# Altium PCB TIDA-01576_ADS8686S_AFE.PcbDoc (part 1 of 3) (continued)
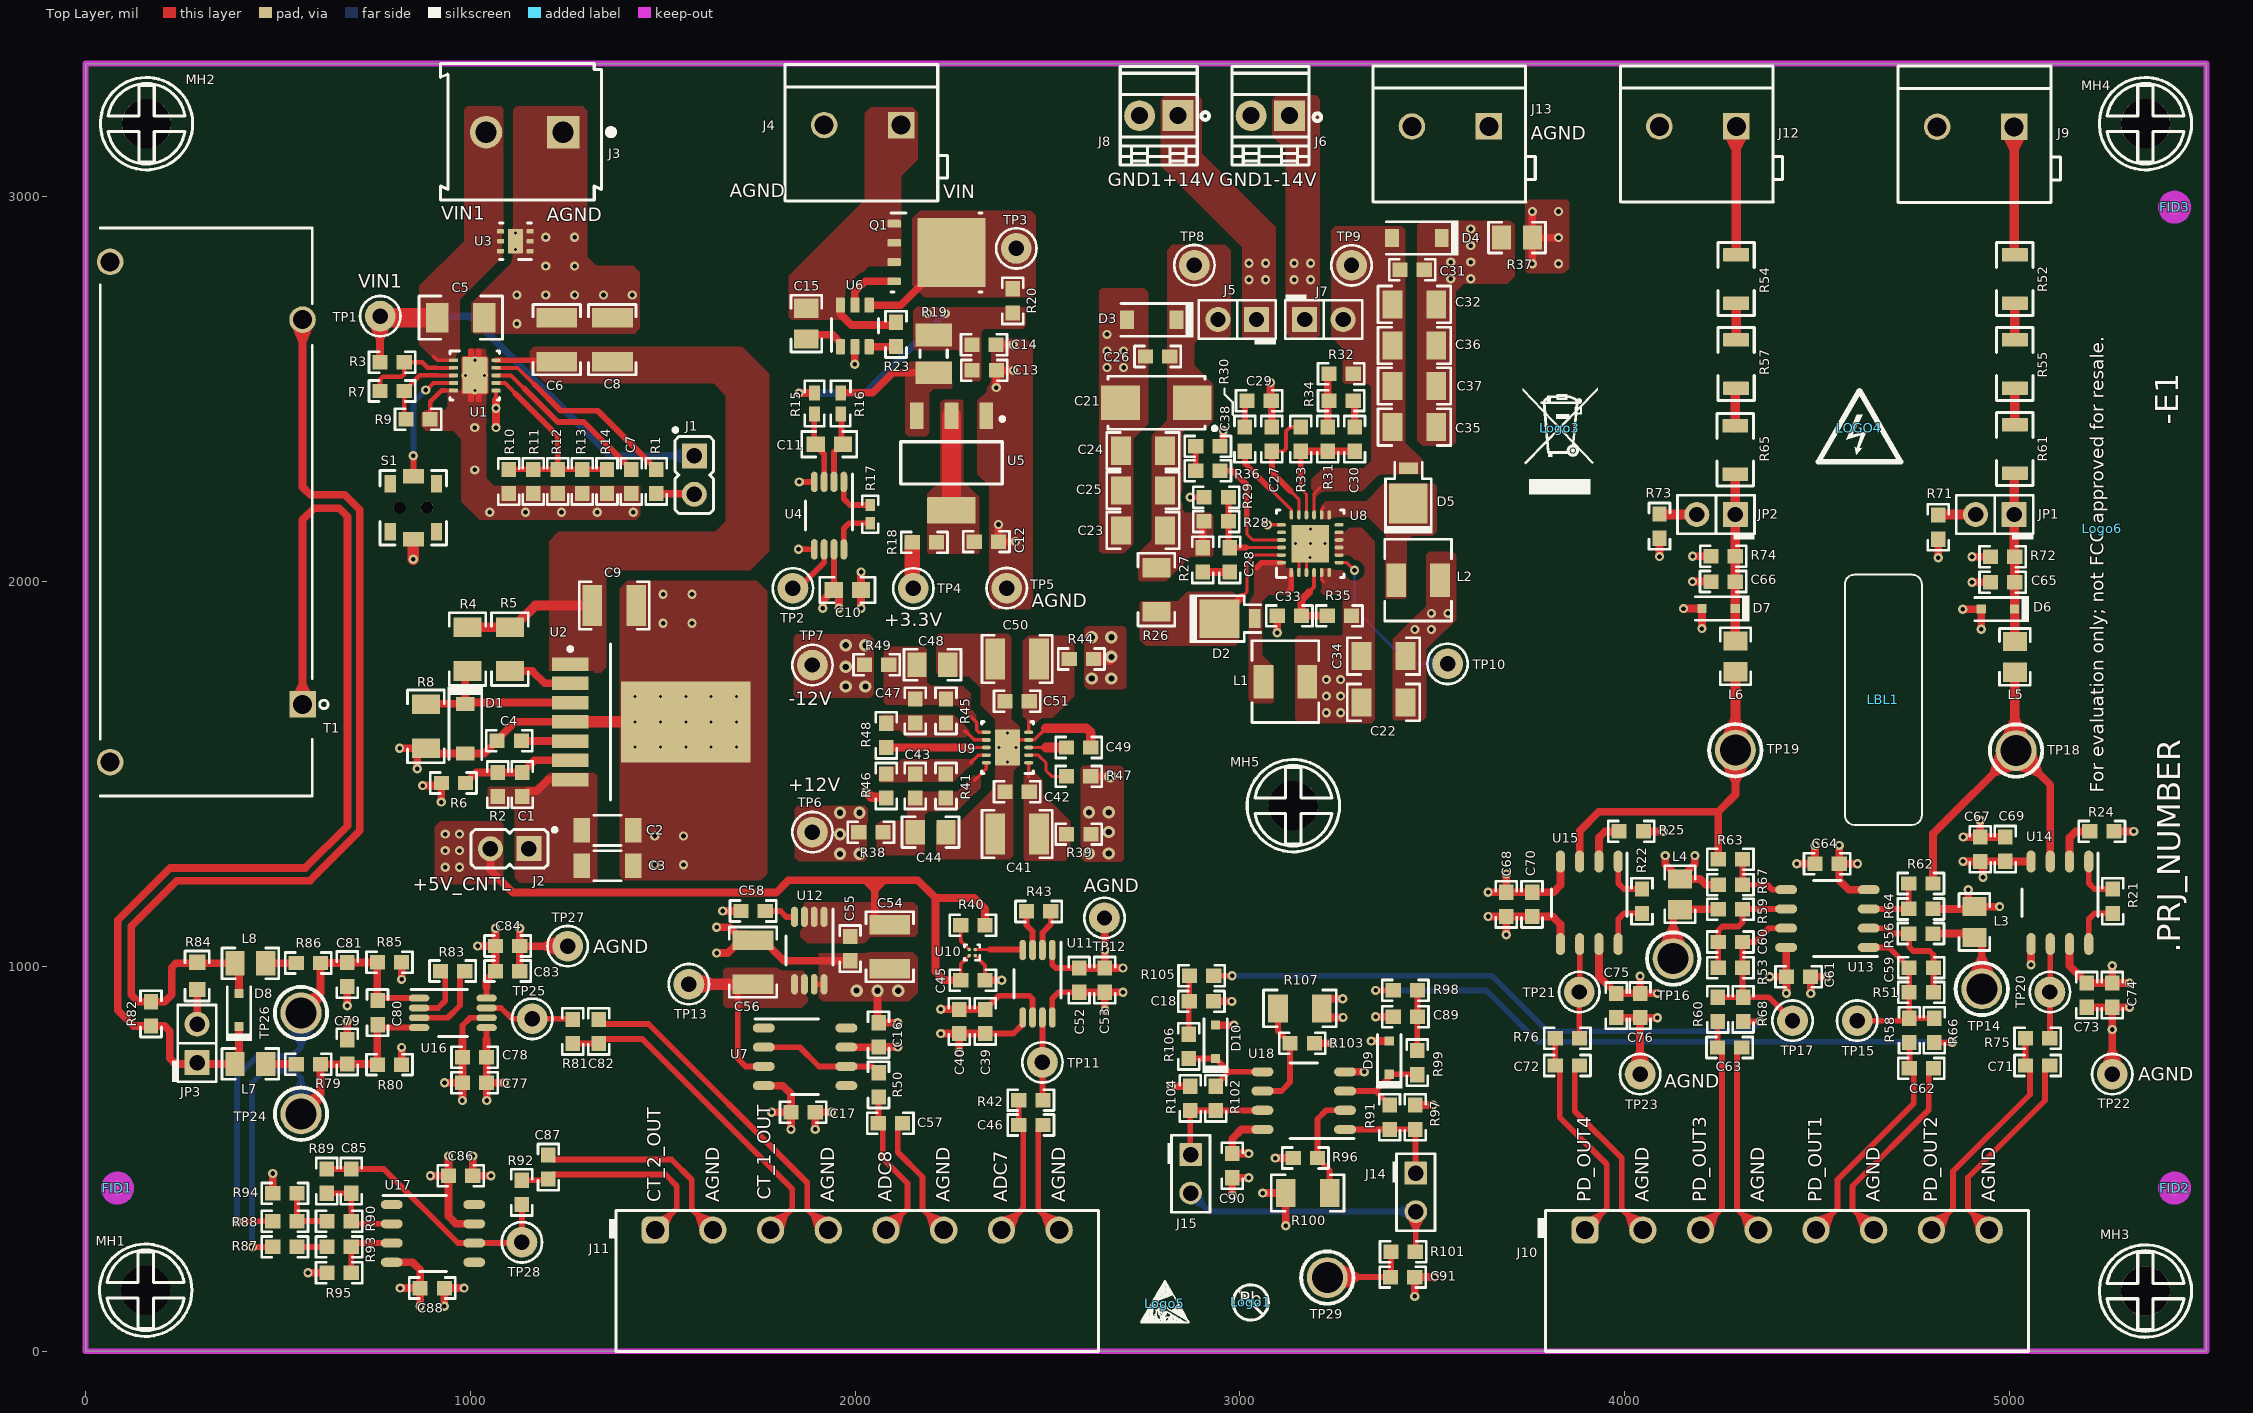
[diagram p0: Top Layer view]
## Footprints (in the part's own frame and the unit in brackets; to place one, negate y for a bottom-side part, rotate by r counter-clockwise, add the part's x,y. Pads: shape width x height; smd on the part's side, far side on the other; paste and mask are expansions set on the pad) (continued)
DCY0004A_N [mm] "SOT223/SC73, 4-Leads, Body 6.5x3.5mm, Pitch 2.3mm, Lead Span 7mm, IPC Medium Density"
  rrect11% 1.75x0.9 smd: 1(-3.125,2.3) 2(-3.125,0) 3(-3.125,-2.3)
  rrect6% 1.75x3.2 smd: 4(3.125,0)
  silkscreen extent -3.02,-3.35 1.4,3.48, body extent -3.48,-3.25 3.48,3.25, height 1.68
DGK0008A_N [mm] "TSOP, 8-Leads, Body 3x3mm, Pitch 0.65mm, IPC Medium Density"
  oval 1.35x0.45 smd: 1(-2.225,0.975) 2(-2.225,0.325) 3(-2.225,-0.325) 4(-2.225,-0.975) 5(2.225,-0.975) 6(2.225,-0.325) 7(2.225,0.325) 8(2.225,0.975)
  silkscreen extent -2.75,-1.55 0.95,1.55, body extent -2.45,-1.5 2.45,1.5, height 0.96
DQJ0008A [mm] "SMD, 8-Leads, Body 5.75x4.9mm"
  rrect39% 0.91x0.51 smd paste-0.05 mask-0.05: 1(-2.795,1.905) 2(-2.795,0.635) 3(-2.795,-0.635) 4(-2.795,-1.905) 5(2.795,-1.905) 6(2.795,-0.635) 7(2.795,0.635) 8(2.795,1.905)
  rrect8% 1.58x1.25 on Top Paste: 9(-0.38,-1.45) 9(-0.38,0) 9(-0.38,1.45) 9(1.4,-1.45) 9(1.4,0) 9(1.4,1.45)
  rrect3% 3.48x4.47 on Top Solder: 9(0.55,0)
  rrect2% 4.49x4.57 smd paste-2.5 mask-2.5: 9(1.005,0)
  silkscreen extent -3,-2.6 3,2.6, body extent -3.13,-2.45 3.13,2.45, height 1.15
DRC0010J [mm] "SON, 10-Leads, Body 3x3mm, Pitch 0.5mm, Thermal Pad 2.4x1.65mm, TI Recommended"
  rrect40% 0.6x0.25 smd: 1(-1.4,1) 2(-1.4,0.5) 3(-1.4,0) 4(-1.4,-0.5) 5(-1.4,-1) 6(1.4,-1) 7(1.4,-0.5) 8(1.4,0) 9(1.4,0.5) 10(1.4,1)
  rrect40% 0.25x0.34 on Top Paste: 11(-0.25,-1.53) 11(-0.25,1.53) 11(0.25,-1.53) 11(0.25,1.53)
  rrect9% 1.5x1.06 on Top Paste: 11(0,-0.63) 11(0,0.63)
  rrect12% 1.65x2.4 smd paste-1 mask-2: 11(0,0)
  Top Layer region: -0.775,-1.25 -0.425,-1.25 -0.425,-1.65 -0.417,-1.688 -0.396,-1.721 -0.363,-1.742 -0.325,-1.75 -0.325,-1.75 -0.325,-1.75 -0.175,-1.75 -0.175,-1.75 -0.137,-1.742 -0.104,-1.721 -0.083,-1.688 -0.075,-1.65 -0.075,-1.65 -0.075,-1.25 0.075,-1.25 0.075,-1.65 0.083,-1.688 0.104,-1.721 0.137,-1.742 0.175,-1.75 0.175,-1.75 0.175,-1.75 0.325,-1.75 0.325,-1.75 0.363,-1.742 0.396,-1.721 0.417,-1.688 0.425,-1.65 0.425,-1.65 0.425,-1.25 0.775,-1.25 0.813,-1.242 0.846,-1.221 0.867,-1.188 0.875,-1.15 0.875,-1.15 0.875,1.15 0.867,1.188 0.846,1.221 0.813,1.242 0.775,1.25 0.775,1.25 0.425,1.25 0.425,1.65 0.417,1.688 0.396,1.721 0.363,1.742 0.325,1.75 0.325,1.75 0.175,1.75 0.137,1.742 0.104,1.721 0.083,1.688 0.075,1.65 0.075,1.65 0.075,1.25 -0.075,1.25 -0.075,1.65 -0.083,1.688 -0.104,1.721 -0.137,1.742 -0.175,1.75 -0.175,1.75 -0.325,1.75 -0.363,1.742 -0.396,1.721 -0.417,1.688 -0.425,1.65 -0.425,1.65 -0.425,1.25 -0.775,1.25 -0.813,1.242 -0.846,1.221 -0.867,1.188 -0.875,1.15 -0.875,1.15 -0.875,-1.15 -0.867,-1.188 -0.846,-1.221 -0.813,-1.242 -0.775,-1.25
  silkscreen extent -1.63,-1.63 1.63,1.63, body extent -1.5,-1.5 1.5,1.5, height 0.77
DRV0006A [mm] "SON, 6-Leads, Body 2x2mm, Pitch 0.65mm, Thermal Pad 1.6x1mm, TI Recommended"
  rrect33% 0.45x0.3 smd: 1(-0.975,0.65) 2(-0.975,0) 3(-0.975,-0.65) 4(0.975,-0.65) 5(0.975,0) 6(0.975,0.65)
  rrect14% 1x0.7 on Top Paste: 7(0,0.45) 7(0,-0.45)
  rrect10% 1x1.6 smd paste-0.5: 7(0,0)
  silkscreen extent -1.05,-1.2 1.05,1.2, body extent -1.05,-1.05 1.05,1.05, height 0.81
DSC0010J [mm] "SON, 10-Leads, Body 3x3mm, Pitch 0.5mm, Thermal Pad 2.4x1.65mm, TI Recommended"
  rrect100% 0.6x0.24 smd: 1(-1.4,1) 2(-1.4,0.5) 3(-1.4,0) 4(-1.4,-0.5) 5(-1.4,-1) 6(1.4,-1) 7(1.4,-0.5) 8(1.4,0) 9(1.4,0.5) 10(1.4,1)
  rrect6% 1.65x2.4 smd paste-0.825: 11(0,0)
  silkscreen extent -1.7,-1.7 1.7,1.7, body extent -1.57,-1.57 1.57,1.57, height 0.81
ESD_Overlay_small [mil]
  silkscreen extent -62,-48 64,61
FCC_disclaimer [mil]
Fiducial10-20 [mm]
  round 1 smd mask+0.5: 1(0,0)
  Top Layer keep-out circle w1.178: c0,0 r0.5
IEC_HighVoltage_Small [mil]
  silkscreen extent -107,-88 107,97
IND_VLF504012 [mm] "TDK"
  rect 1.3x2.2 smd: 1(-1.45,0) 2(1.45,0)
  silkscreen extent -2.2,-2.7 2.2,2.7, body extent -2.15,-2.65 2.15,2.65, height 1.2
Keystone1573-2 [mm] "Double Turret"
  round 2.7 hole 2.05: 1(0,0)
  silkscreen extent -1.73,-1.73 1.73,1.73, body extent -1.18,-1.18 1.17,1.18, height 4.72
Keystone5000 [mil] "For Keystone 500x miniature loop terminals"
  round 80 hole 40: 1(0,0)
  silkscreen extent -52,-52 52,52, body extent -49,-49 49,49, height 182
Keystone5001 [mil] "For Keystone 500x miniature loop terminals"
  round 80 hole 40: 1(0,0)
  silkscreen extent -52,-52 52,52, body extent -49,-49 49,49, height 182
Keystone5002 [mil] "For Keystone 500x miniature loop terminals"
  round 80 hole 40: 1(0,0)
  silkscreen extent -52,-52 52,52, body extent -49,-49 49,49, height 182
Label_650x200 [mil] "Thermal Transfer Label"
  round 1 on Mech13: 0(0,0)
  silkscreen extent -325,-100 325,100, body extent -325,-100 325,100, height 1
MH3.2 [mil]
  round 128 / inner round 142 / far side round 128 hole 128 unplated mask+10: 1(0,0)
  silkscreen extent -120,-120 120,120
Pb-Free_Overlay_Small [mil]
  silkscreen extent -46,-46 46,46
Phoenix_1803332 [mm] "Header(shrouded), 3.81mm, 8x1, R/A, TH"
  rrect50% 1.8x1.8 hole 1.2: 1(-13.335,3.4)
  round 1.8 hole 1.2: 2(-9.525,3.4) 3(-5.715,3.4) 4(-1.905,3.4) 5(1.905,3.4) 6(5.715,3.4) 7(9.525,3.4) 8(13.335,3.4)
  silkscreen extent -16.46,-4.6 15.93,4.7, body extent -15.93,-4.6 15.94,4.7, height 7.25
POWERMITE [mil] "On Semi recommended land pattern, 457-04.pdf Rev 04E dated 2008-11-26"
  rect 105x100 smd: 1(-46,0)
  rect 30x50 smd: 2(46,0)
  silkscreen extent -124,-63 61,63, body extent -94,-40 59,40, height 45
RGE0024B [mm] "QFN, 24-Leads, Body 4x4mm, Pitch 0.5mm, Thermal Pad 2.45x2.45mm, TI Recommended"
  oval 0.6x0.24 smd: 1(-1.9,1.25) 2(-1.9,0.75) 3(-1.9,0.25) 4(-1.9,-0.25) 5(-1.9,-0.75) 6(-1.9,-1.25) 13(1.9,-1.25) 14(1.9,-0.75) 15(1.9,-0.25) 16(1.9,0.25) 17(1.9,0.75) 18(1.9,1.25)
  oval 0.24x0.6 smd: 7(-1.25,-1.9) 8(-0.75,-1.9) 9(-0.25,-1.9) 10(0.25,-1.9) 11(0.75,-1.9) 12(1.25,-1.9) 19(1.25,1.9) 20(0.75,1.9) 21(0.25,1.9) 22(-0.25,1.9) 23(-0.75,1.9) 24(-1.25,1.9)
  rect 2.45x2.45 smd paste-1.225: 25(0,0)
  silkscreen extent -2.22,-2.22 2.22,2.22, body extent -2.07,-2.07 2.07,2.07, height 1.01
RL1220 [mm] "Susumu"
  rect 1.5x2.4 smd: 1(-1.25,0) 2(1.25,0)
  silkscreen extent -0.25,-0.9 0.25,0.9, body extent -1.1,-0.72 1.1,0.72, height 0.7
SOD-123 [mm] "On Semi recommended land pattern"
  rect 0.915x1.22 smd: 1(-1.637,0) 2(1.637,0)
  silkscreen extent -2.74,-1.17 2.03,1.17, body extent -1.93,-0.9 1.93,0.9, height 1.35
SOD-323 [mm] "NXP recommended land pattern"
  rect 0.6x0.6 smd paste-0.05: 1(-1.1,0) 2(1.1,0)
  silkscreen extent -2.06,-0.86 1.53,0.86, body extent -1.3,-0.67 1.3,0.68, height 1.1
Sullins_PBC02SAAN [mm] "Sullins 100mil, 1x2, 230 mil above insulator"
  rect 1.65x1.65 hole 1.016: 1(0,1.27)
  round 1.65 hole 1.016: 2(0,-1.27)
  silkscreen extent -1.37,-2.54 1.27,3.1, body extent -1.27,-2.54 1.27,2.54, height 8.38
SW_PTS820 [mm] "SMT, 2-Leads, Body 3.9x2.9mm"
  rect 0.95x1.4 smd: 1(-2.075,0) 2(2.075,0)
  round 0.8 hole 0.8 unplated mask+0.203: MH1(0,0.9) MH2(0,-0.9)
  rect 1.15x0.75 smd: MP1(-1.575,1.525) MP2(1.575,1.525) MP3(1.575,-1.525) MP4(-1.575,-1.525)
  silkscreen extent -2.45,-2.2 2.45,2.2, body extent -2.25,-1.45 2.25,1.45, height 2
TEC_282841-2 [mm] "TE Connectivity"
  rect 2.15x2.15 hole 1.4: 1(-2.54,0)
  round 2.15 hole 1.4: 2(2.54,0)
  silkscreen extent -5.9,-4.52 5.55,4.47, body extent -5.08,-4.52 5.58,4.48, height 15.2
TNPV1206 [mm] "VISHAY"
  rrect11% 0.9x1.7 smd: 1(-1.6,0) 2(1.6,0)
  silkscreen extent -2.4,-1.2 2.4,1.2, body extent -1.67,-0.87 1.67,0.87, height 0.65
TSW-102-07-G-S [mm] "Samtec 100mil, 1x2, 230 mil above insulator"
  rrect6% 1.65x1.65 hole 1.016: 1(-1.27,0)
  round 1.65 hole 1.016: 2(1.27,0)
  silkscreen extent -2.54,-1.27 2.54,1.65, body extent -2.54,-1.27 2.54,1.27, height 8.38
TZA07A_V [mm] "D2-PAK, 8-Leads, Body 9.9x10.2mm, Pitch 1.27mm, Lead Span 13.8mm, NSC Recommended"
  rect 2.41x0.89 smd: 1(-5.35,3.81) 2(-5.35,2.54) 3(-5.35,1.27) 4(-5.35,0) 5(-5.35,-1.27) 6(-5.35,-2.54) 7(-5.35,-3.81)
  rect 8.54x5.35 smd: 8(2.28,0)
  silkscreen extent -5.47,-5.15 -2.7,5.15, body extent -2.55,-5.2 7.55,5.2, height 4.67
WEEE_Minimum [mil] "WEEElie bin"
  silkscreen extent -95,-172 99,104
XFMR_CR8350-2500-N [mil] "CURRENT TRANSFORMERS, VERTICAL, 4 PIN, THRU"
  rect 69.06x69.06 / inner round 69.06 / far side rect 69.06x69.06 hole 49.37: 1(-250,500)
  round 69.06 hole 49.37: 2(-250,-500) 3(250,650) 4(250,-650)
  silkscreen extent -317,-738 276,738, body extent -276,-738 276,738, height 1535
YFQ0004ACAC [mm] "WCSP, 4-Leads, Body 0.84x0.84mm, Pitch 0.4mm"
  round 0.23 smd paste-0.13 mask+0.038: A1(-0.2,0.2) A2(0.2,0.2) B1(-0.2,-0.2) B2(0.2,-0.2)
  silkscreen extent -0.51,-0.51 0.51,0.51, body extent -0.42,-0.42 0.42,0.42, height 0.58

## Part data
C1 C4: "CAP, CERM, 0.022 µF, 16 V,+/- 10%, X7R, 0603", Cap_Case=0603, Manufacturer=Kemet, Supplier Part Number 1=399-1093-1-ND, TempCo=X7R, Tolerance_%=10, Value1=Unknown, Value2=16V, ValueDisplayed=0.022µF, AEC Category=Q200, AEC Qualified=?, Cap_F=0.000000022, ComponentLink1Description="Datasheet link", ComponentLink1URL=http://www.kemet.com/kemet/web/homepage/kechome.nsf/vapubfiles/F3102_Y5V.pdf/$file/F3102_Y5V.pdf, CompType=Capacitor, Green_EU RoHS=Passed, Green_EU RoHS-2=Passed, Green_Lifecycle=Active, Green_REACh=Passed, LatestRevisionDate=2017-05-28, MountType=SMT, PackageReference=0603, PartNumber=C0603C223K4RACTU, Polarized=N, Published=2008-06-19, Publisher="Texas Instruments", RoHS=Y, SizeArea_mm2=1.28, SizeAreaWB_mm2=4.68, SizeX_mm=1.6, SizeY_mm=0.8, SizeZ_mm=1, Supplier 1=Digi-Key, Supplier 2=Mouser, Supplier 3=Farnell, Supplier Part Number 2=80-C0603C223K4R, Supplier Part Number 3=1204523, SymbolVersion=2008-07-09, TaMax_C=125, TaMin_C=-55, Technology=Ceramic, U/M=EA, VDC_V=16
C2 C3: "CAP, CERM, 22 µF, 16 V,+/- 20%, X7R, 1206", Cap_Case=1206, Manufacturer="Taiyo Yuden", Supplier Part Number 1=587-4319-1-ND, TempCo=X7R, Tolerance_%=20, Value1=Unknown, Value2=16V, ValueDisplayed=22µF, AEC Category=Q200, AEC Grade=N/A, AEC Qualified=N, Cap_F=0.000022, ComponentLink1Description="Datasheet link", ComponentLink1URL=http://www.yuden.co.jp/productdata/catalog/en/mlcc_all_e.pdf, CompType=Capacitor, LatestRevisionDate=2017-05-28, MountType=SMT, PackageReference=1206, PartNumber=EMK316BB7226ML-T, Polarized=N, Published=2008-06-19, Publisher="Texas Instruments", RoHS=Y, SizeArea_mm2=5.12, SizeAreaWB_mm2=10.92, SizeX_mm=3.2, SizeY_mm=1.6, SizeZ_mm=1.9, Supplier 1=Digi-Key, Supplier 2=Newark, Supplier 3=Mouser, Supplier Part Number 2=52Y4678, Supplier Part Number 3=963-EMK316BB7226ML-T, SymbolVersion=2008-07-09, TaMax_C=125, TaMin_C=-55, Technology=Ceramic, U/M=EA, VDC_V=16
C5: "CAP, CERM, 1 µF, 100 V, +/- 10%, X7R, 1206", Cap_Case=2220, Manufacturer=MuRata, Supplier Part Number 1=490-3909-1-ND, TempCo=X7R, Tolerance_%=10, Value1=Unknown, Value2=100V, ValueDisplayed=1µF, AEC Category=Q200, AEC Qualified=?, Cap_F=0.000001, ComponentLink1Description="Datasheet link", ComponentLink1URL=http://search.murata.co.jp/Ceramy/PnsearchViewAction.do?HnOFG=ON&HnNFG=ON&SEL_CNT=50&sLang=en&sKey=GRM31CR72A105KA01L&x=9&y=9&search=startwith, CompType=Capacitor, LatestRevisionDate=2016-06-23, MountType=SMT, PackageReference=1206, PartNumber=GRM31CR72A105KA01L, Polarized=N, Published=2008-06-19, Publisher="Texas Instruments", RoHS=Y, SizeArea_mm2=5.12, SizeAreaWB_mm2=10.92, SizeX_mm=3.2, SizeY_mm=1.6, SizeZ_mm=1.8, Supplier 1=Digi-Key, Supplier 2=Mouser, Supplier 3=Farnell, Supplier Part Number 2=81-GRM31CR72A105KA01, Supplier Part Number 3=1735543, SymbolVersion=2008-07-09, TaMax_C=125, TaMin_C=-55, Technology=Ceramic, U/M=EA, VDC_V=100
C6: "CAP, CERM, 2.2 µF, 100 V, +/- 10%, X7R, 1210", Cap_Case=1210, Manufacturer=MuRata, Supplier Part Number 1=490-3385-1-ND, TempCo=X7R, Tolerance_%=10, Value1="0.007 ohm", Value2=100V, ValueDisplayed=2.2µF, AEC Category=Q200, AEC Qualified=?, Cap_F=0.0000022, ComponentLink1Description="Datasheet link", ComponentLink1URL=http://search.murata.co.jp/Ceramy/PnsearchViewAction.do?HnOFG=ON&HnNFG=ON&SEL_CNT=50&sLang=en&sKey=GRM32ER72A225KA35L&x=9&y=9&search=startwith, CompType=Capacitor, ESR_ohm=0.007, IRMS_A=4.4, LatestRevisionDate=2017-01-30, MountType=SMT, PackageReference=1210, PartNumber=GRM32ER72A225KA35L, Polarized=N, Published=2008-06-19, Publisher="Texas Instruments", RoHS=Y, SizeArea_mm2=8, SizeAreaWB_mm2=14.7, SizeX_mm=3.2, SizeY_mm=2.5, SizeZ_mm=2.7, Supplier 1=Digi-Key, Supplier 2=Mouser, Supplier 3=Farnell, Supplier Part Number 2=81-GRM32ER72A225KA35, Supplier Part Number 3=1735547, SymbolVersion=2008-07-09, TaMax_C=125, TaMin_C=-55, Technology=Ceramic, U/M=EA, VDC_V=100
C7: "CAP, CERM, 0.022 µF, 16 V,+/- 10%, X7R, 0603", Cap_Case=0603, Manufacturer=MuRata, Supplier Part Number 1=490-1527-1-ND, TempCo=X7R, Tolerance_%=10, Value2=16V, ValueDisplayed=0.022µF, AEC Category=Q200, AEC Qualified=?, Cap_F=0.000000022, ComponentLink1Description="Datasheet link", ComponentLink1URL=http://search.murata.co.jp/Ceramy/PnsearchViewAction.do?HnOFG=ON&HnNFG=ON&SEL_CNT=50&sLang=en&sKey=GRM188R71C223KA01D&x=9&y=9&search=startwith, CompType=Capacitor, Green_EU RoHS=Passed, Green_EU RoHS-2=Incomplete, Green_Lifecycle=Active, Green_REACh=Passed, LatestRevisionDate=2017-06-22, MountType=SMT, PackageReference=0603, PartNumber=GRM188R71C223KA01D, Polarized=N, Published=2008-06-19, Publisher="Texas Instruments", RoHS=Y, SizeArea_mm2=1.28, SizeAreaWB_mm2=4.68, SizeX_mm=1.6, SizeY_mm=0.8, SizeZ_mm=1, Supplier 1=Digi-Key, Supplier 2=Mouser, Supplier Part Number 2=81-GRM39X223K16D, SymbolVersion=2008-07-09, TaMax_C=125, TaMin_C=-55, Technology=Ceramic, U/M=EA, VDC_V=16
C8 C9: "CAP, CERM, 10 µF, 63 V, +/- 10%, X7R, 1210", Cap_Case=1210, Manufacturer=MuRata, Supplier Part Number 1=490-9970-1-ND, TempCo=X7R, Tolerance_%=10, Value1=Unknown, Value2=63V, ValueDisplayed=10µF, AEC Category=Q200, AEC Grade=N/A, AEC Qualified=N, Cap_F=0.00001, ComponentLink1Description="Datasheet link", ComponentLink1URL=http://psearch.en.murata.com/capacitor/product/GRM32ER71J106KA12%23.pdf, CompType=Capacitor, LatestRevisionDate=2016-12-20, MountType=SMT, PackageReference=1210, PartNumber=GRM32ER71J106KA12L, Polarized=N, Published=2008-06-19, Publisher="Texas Instruments", RoHS=Y, SizeArea_mm2=8, SizeAreaWB_mm2=14.7, SizeX_mm=3.2, SizeY_mm=2.5, SizeZ_mm=2.7, Supplier 1=Digi-Key, Supplier 2=Mouser, Supplier Part Number 2=81-GRM32ER71J106KA2L, SymbolVersion=2008-07-09, TaMax_C=125, TaMin_C=-55, Technology=Ceramic, U/M=EA, VDC_V=63
C10 C16 C17 C61 C64 C86 C88 C90: "CAP, CERM, 0.1uF, 25V, +/-5%, X7R, 0603", Cap_Case=0603, Manufacturer=AVX, Supplier Part Number 1=478-3713-1-ND, TempCo=X7R, Tolerance_%=5, Value1="0.05 ohm", Value2=25V, ValueDisplayed=0.1µF, Cap_F=0.0000001, ComponentLink1Description="Datasheet link", ComponentLink1URL=http://www.avx.com/docs/masterpubs/smccp.pdf, CompType=Capacitor, ESR_ohm=0.05, MountType=SMT, PackageReference=0603, PartNumber=06033C104JAT2A, Polarized=N, Published=2008-06-19, Publisher="Texas Instruments", RoHS=Y, Supplier 1=Digi-Key, Supplier 2=Mouser, Supplier 3=Farnell, Supplier Part Number 2=581-06033C104JAT2A, Supplier Part Number 3=1740614, SymbolVersion=2008-07-09, TaMax_C=125, TaMin_C=-55, Technology=Ceramic, U/M=EA, VDC_V=25
  C10: LatestRevisionDate=2013-06-11
  C16 C17 C61 C64 C86 C88 C90: LatestRevisionDate=2013-12-06
C11: "CAP, CERM, 0.022uF, 25V, +/-10%, X7R, 0603", Cap_Case=0603, Manufacturer=Kemet, Supplier Part Number 1=399-1094-1-ND, TempCo=X7R, Tolerance_%=10, Value1=Unknown, Value2=25V, ValueDisplayed=0.022µF, Cap_F=0.000000022, ComponentLink1Description="Datasheet link", ComponentLink1URL=http://www.kemet.com/kemet/web/homepage/kechome.nsf/vapubfiles/F3102_Y5V.pdf/$file/F3102_Y5V.pdf, CompType=Capacitor, LatestRevisionDate=2014-01-01, MountType=SMT, PackageReference=0603, PartNumber=C0603C223K3RACTU, Polarized=N, Published=2008-06-19, Publisher="Texas Instruments", RoHS=Y, Supplier 1=Digi-Key, Supplier 2=Mouser, Supplier 3=Farnell, Supplier Part Number 2=80-C0603C223K3R, Supplier Part Number 3=1204523, SymbolVersion=2008-07-09, TaMax_C=125, TaMin_C=-55, Technology=Ceramic, U/M=EA, VDC_V=25
C12 C14: "CAP, CERM, 10 µF, 6.3 V, +/- 20%, X5R, 0603", Cap_Case=0603, Manufacturer=Kemet, Supplier Part Number 1=399-5504-1-ND, TempCo=X5R, Tolerance_%=20, Value1="0.004 ohm", Value2=6.3V, ValueDisplayed=10µF, Cap_F=0.00001, ComponentLink1Description="Datasheet link", ComponentLink1URL=http://www.kemet.com/kemet/web/homepage/kechome.nsf/vapubfiles/F3102_Y5V.pdf/$file/F3102_Y5V.pdf, CompType=Capacitor, ESR_ohm=0.004, IRMS_A=8.9, LatestRevisionDate=2015-03-22, MountType=SMT, PackageReference=0603, PartNumber=C0603C106M9PACTU, Polarized=N, Published=2008-06-19, Publisher="Texas Instruments", RoHS=Y, Supplier 1=Digi-Key, Supplier 2=Mouser, Supplier 3=Farnell, Supplier Part Number 2=80-C0603C106M9P, Supplier Part Number 3=1288201, SymbolVersion=2008-07-09, TaMax_C=85, TaMin_C=-55, Technology=Ceramic, U/M=EA, VDC_V=6.3
C13: "CAP, CERM, 0.1uF, 50V, +/-10%, X7R, 0603", Cap_Case=0603, Manufacturer=Kemet, Supplier Part Number 1=399-5089-1-ND, TempCo=X7R, Tolerance_%=10, Value1=Unknown, Value2=50V, ValueDisplayed=0.1µF, Cap_F=0.0000001, ComponentLink1Description="Datasheet link", ComponentLink1URL=http://www.kemet.com/kemet/web/homepage/kechome.nsf/vapubfiles/F3102_Y5V.pdf/$file/F3102_Y5V.pdf, CompType=Capacitor, LatestRevisionDate=2013-11-21, MountType=SMT, PackageReference=0603, PartNumber=C0603C104K5RACTU, Polarized=N, Published=2008-06-19, Publisher="Texas Instruments", RoHS=Y, Supplier 1=Digi-Key, Supplier 2=Mouser, Supplier 3=Farnell, Supplier Part Number 2=80-C0603C104K5R, Supplier Part Number 3=1288255, SymbolVersion=2008-07-09, TaMax_C=125, TaMin_C=-55, Technology=Ceramic, U/M=EA, VDC_V=50
C15 C44 C48: "CAP, CERM, 2.2uF, 10V, +/-10%, X7R, 0805", Cap_Case=0805, Manufacturer=Kemet, Supplier Part Number 1=399-3522-1-ND, TempCo=X7R, Tolerance_%=10, Value1="0.008 ohm", Value2=10V, ValueDisplayed=2.2µF, Cap_F=0.0000022, ComponentLink1Description="Datasheet link", ComponentLink1URL=http://www.kemet.com/kemet/web/homepage/kechome.nsf/file/Partial%20Copy%20-%20Ceramic%20Surface%20Mount%20Capacitors/$file/F3102_CE.pdf, CompType=Capacitor, ESR_ohm=0.008, IRMS_A=15.55, LatestRevisionDate=2014-05-28, MountType=SMT, PackageReference=0805, PartNumber=C0805C225K8RACTU, Polarized=N, Published=2008-06-19, Publisher="Texas Instruments", RoHS=Y, Supplier 1=Digi-Key, Supplier 2=Mouser, Supplier Part Number 2=80-C0805C225K8R, SymbolVersion=2008-07-09, TaMax_C=125, TaMin_C=-55, Technology=Ceramic, U/M=EA, VDC_V=10
C18 C89 C91: library part C1608C0G1E103J, "CAP, CERM, 0.01uF, 25V, +/-5%, C0G/NP0, 0603", Cap_Case=0603, Manufacturer=TDK, Supplier Part Number 1=445-2664-1-ND, TempCo=C0G/NP0, Tolerance_%=5, Value1=Unknown, Value2=25V, ValueDisplayed=0.01µF, Cap_F=0.00000001, ComponentLink1Description="Datasheet link", ComponentLink1URL=http://www.tdk.co.jp/tefe02/e412_c.pdf, CompType=Capacitor, LatestRevisionDate=2013-12-06, MountType=SMT, PackageReference=0603, PartNumber=C1608C0G1E103J080AA, Polarized=N, Published=2008-06-19, Publisher="Texas Instruments", RoHS=Y, Supplier 1=Digi-Key, Supplier 2=Farnell, Supplier Part Number 2=1844146, SymbolVersion=2008-07-09, TaMax_C=125, TaMin_C=-55, Technology=Ceramic, U/M=EA, VDC_V=25
C21: "CAP, TA, 4.7 µF, 25 V, +/- 10%, 2 ohm, SMD", Cap_Case=C, Manufacturer=Vishay-Sprague, Supplier Part Number 1=718-1082-1-ND, Tolerance_%=10, Value1="2 ohm", Value2=25V, ValueDisplayed=4.7µF, Cap_F=0.0000047, ComponentLink1Description="Datasheet link", ComponentLink1URL=http://www.vishay.com/docs/40002/293d.pdf, CompType=Capacitor, ESR_ohm=2, IRMS_A=0.24, LatestRevisionDate=2014-11-20, LatestRevisionNote="Updated supplier links", MountType=SMT, PackageReference=6032-28, PartNumber=293D475X9025C2TE3, Polarized=Y, Publisher="Texas Instruments", RoHS=Y, Series=293D, Supplier 1=Digi-Key, Supplier 2=Mouser, Supplier 3=Farnell, Supplier Part Number 2=74-293D475X9025C2TE3, Supplier Part Number 3=1754216, SymbolVersion=2008-07-09, TaMax_C=125, TaMin_C=-55, Technology=TA, U/M=EA, VDC_V=25
C22 C23 C24 C25 C32 C34 C35 C36 C37: library part C3216X7R1E475M, "CAP, CERM, 4.7 µF, 25 V, +/- 20%, X7R, 1206", Cap_Case=1206, Manufacturer=TDK, Supplier Part Number 1=445-1424-1-ND, TempCo=X7R, Tolerance_%=20, Value1="0.0063 ohm", Value2=25V, ValueDisplayed=4.7µF, Cap_F=0.0000047, ComponentLink1Description="Datasheet link", ComponentLink1URL=http://www.tdk.co.jp/tefe02/e412_c.pdf, CompType=Capacitor, ESR_ohm=0.0063, LatestRevisionDate=2015-02-10, MountType=SMT, PackageReference=1206, PartNumber=C3216X7R1E475M160AC, Polarized=N, Published=2008-06-19, Publisher="Texas Instruments", RoHS=Y, Supplier 1=Digi-Key, Supplier 2=Farnell, Supplier Part Number 2=1844330, SymbolVersion=2008-07-09, TaMax_C=125, TaMin_C=-55, Technology=Ceramic, U/M=EA, VDC_V=25
C26 C29 C31 C38 C43 C47 C49: "CAP, CERM, 0.01 µF, 6.3 V, +/- 10%, X7R, 0603", Cap_Case=0603, Manufacturer=MuRata, Supplier Part Number 1=490-9729-1-ND, TempCo=X7R, Tolerance_%=10, Value1=Unknown, Value2=6.3V, ValueDisplayed=0.01µF, Cap_F=0.00000001, ComponentLink1Description="Datasheet link", ComponentLink1URL=http://search.murata.co.jp/Ceramy/PnsearchViewAction.do?HnOFG=ON&HnNFG=ON&SEL_CNT=50&sLang=en&sKey=GRM188R70J103KA01D&x=9&y=9&search=startwith, CompType=Capacitor, LatestRevisionDate=2015-02-10, MountType=SMT, PackageReference=0603, PartNumber=GRM188R70J103KA01D, Polarized=N, Published=2008-06-19, Publisher="Texas Instruments", RoHS=Y, Supplier 1=Digi-Key, Supplier 2=Mouser, Supplier Part Number 2=81-GRM188R70J103KA1D, SymbolVersion=2008-07-09, TaMax_C=125, TaMin_C=-55, Technology=Ceramic, U/M=EA, VDC_V=6.3
C27: library part C0603C224K4RACTU, "CAP, CERM, 0.22 µF, 6.3 V, +/- 10%, X7R, 0603", Cap_Case=0603, Manufacturer=Kemet, Supplier Part Number 1=399-9046-1-ND, TempCo=X7R, Tolerance_%=10, Value1=Unknown, Value2=16V, ValueDisplayed=0.22µF, Cap_F=0.00000022, ComponentLink1Description="Datasheet link", ComponentLink1URL=http://www.kemet.com/kemet/web/homepage/kechome.nsf/vapubfiles/F3102_Y5V.pdf/$file/F3102_Y5V.pdf, CompType=Capacitor, LatestRevisionDate=2014-05-15, MountType=SMT, PackageReference=0603, PartNumber=C0603C224K9RACTU, Polarized=N, Published=2008-06-19, Publisher="Texas Instruments", RoHS=Y, Supplier 1=Digi-Key, Supplier 2=Mouser, Supplier 3=Farnell, Supplier Part Number 2=80-C0603C224K4R, Supplier Part Number 3=1650007, SymbolVersion=2008-07-09, TaMax_C=125, TaMin_C=-55, Technology=Ceramic, U/M=EA, VDC_V=16
C28 C30: "CAP, CERM, 10 pF, 50 V, +/- 5%, C0G/NP0, 0603", Cap_Case=0603, Manufacturer=Kemet, Supplier Part Number 1=399-1049-1-ND, TempCo=C0G/NP0, Tolerance_%=5, Value1=Unknown, Value2=50V, ValueDisplayed=10pF, Cap_F=0.00000000001, ComponentLink1Description="Datasheet link", ComponentLink1URL=http://www.kemet.com/kemet/web/homepage/kechome.nsf/vapubfiles/F3102_Y5V.pdf/$file/F3102_Y5V.pdf, CompType=Capacitor, LatestRevisionDate=2015-02-10, MountType=SMT, PackageReference=0603, PartNumber=C0603C100J5GACTU, Polarized=N, Published=2008-06-19, Publisher="Texas Instruments", RoHS=Y, Supplier 1=Digi-Key, Supplier 2=Mouser, Supplier 3=Farnell, Supplier Part Number 2=80-C0603C100J5G, Supplier Part Number 3=1414601, SymbolVersion=2008-07-09, TaMax_C=125, TaMin_C=-55, Technology=Ceramic, U/M=EA, VDC_V=50
C33 C42 C45 C51 C55 C58: "CAP, CERM, 1 µF, 25 V, +/- 10%, X5R, 0603", Cap_Case=0603, Manufacturer=MuRata, Supplier Part Number 1=490-3897-1-ND, TempCo=X5R, Tolerance_%=10, Value1=Unknown, Value2=25V, ValueDisplayed=1µF, Cap_F=0.000001, ComponentLink1Description="Datasheet link", ComponentLink1URL=http://search.murata.co.jp/Ceramy/PnsearchViewAction.do?HnOFG=ON&HnNFG=ON&SEL_CNT=50&sLang=en&sKey=GRM188R61E105KA12D&x=9&y=9&search=startwith, CompType=Capacitor, LatestRevisionDate=2015-02-10, MountType=SMT, PackageReference=0603, PartNumber=GRM188R61E105KA12D, Polarized=N, Published=2008-06-19, Publisher="Texas Instruments", RoHS=Y, Supplier 1=Digi-Key, Supplier 2=Mouser, Supplier 3=Farnell, Supplier Part Number 2=81-GRM188R61E105KA12, Supplier Part Number 3=1828802, SymbolVersion=2008-07-09, TaMax_C=85, TaMin_C=-55, Technology=Ceramic, U/M=EA, VDC_V=25
C39 C53 C67 C68 C74 C76 C77 C84: library part C1608X5R1C105K, "CAP, CERM, 1 µF, 16 V, +/- 10%, X5R, 0603", Cap_Case=0603, Manufacturer=Murata, Supplier Part Number 1=490-1536-1-ND, TempCo=X5R, Tolerance_%=10, Value1="0.0057 ohm", Value2=16V, ValueDisplayed=1µF, AEC Category=Q200, AEC Qualified=?, Cap_F=0.000001, ComponentLink1Description="Datasheet link", ComponentLink1URL=http://www.tdk.co.jp/tefe02/e412_c.pdf, CompType=Capacitor, ESR_ohm=0.0057, LatestRevisionDate=2015-10-13, MountType=SMT, PackageReference=0603, PartNumber=GRM188R61C105KA93D, Polarized=N, Published=2008-06-19, Publisher="Texas Instruments", RoHS=Y, Supplier 1=Digi-Key, Supplier 2=Farnell, Supplier Part Number 2=1844208, SymbolVersion=2008-07-09, TaMax_C=85, TaMin_C=-55, Technology=Ceramic, U/M=EA, VDC_V=16
C40 C52 C69 C70 C73 C75 C78 C83: "CAP, CERM, 0.1 µF, 25 V, +/- 10%, X8R, AEC-Q200 Grade 0, 0603", Cap_Case=0603, Manufacturer=TDK, Supplier Part Number 1=445-5885-1-ND, TempCo=X8R, Tolerance_%=10, Value1=Unknown, Value2=25V, ValueDisplayed=0.1µF, AEC Category=Q200, AEC Grade=0, AEC Qualified=Y, Cap_F=0.0000001, ComponentLink1Description="Datasheet link", ComponentLink1URL=http://www.tdk.com/pdf/mlcc_prod_guide/MLCC%20Product%20Guide%20A14.pdf, CompType=Capacitor, LatestRevisionDate=2015-10-13, MountType=SMT, PackageReference=0603, PartNumber=CGA3E2X8R1E104K080AA, Polarized=N, Published=2008-06-19, Publisher="Texas Instruments", RoHS=Y, Supplier 1=Digi-Key, Supplier 2=Mouser, Supplier 3=Farnell, Supplier Part Number 2=810-CGA3E2X8R1E104K, Supplier Part Number 3=2210887, SymbolVersion=2008-07-09, TaMax_C=150, TaMin_C=-55, Technology=Ceramic, U/M=EA, VDC_V=25
C41 C50 C54 C56: library part GMK325AB7106MM-T, "CAP, CERM, 10uF, 35V, +/-20%, X7R, 1210", Cap_Case=1210, Manufacturer="Taiyo Yuden", Supplier Part Number 1=587-2779-1-ND, TempCo=X7R, Tolerance_%=20, Value1=Unknown, Value2=35V, ValueDisplayed=10µF, Cap_F=0.00001, ComponentLink1Description="Datasheet link", ComponentLink1URL=http://www.yuden.co.jp/productdata/catalog/en/mlcc01_e.pdf, CompType=Capacitor, LatestRevisionDate=2013-12-06, MountType=SMT, PackageReference=1210, PartNumber=GMK325AB7106MM-T, Polarized=N, Published=2008-06-19, Publisher="Texas Instruments", RoHS=Y, Supplier 1=Digi-Key, Supplier 2=Mouser, Supplier 3=Farnell, Supplier Part Number 2=963-GMK325AB7106MM-T, Supplier Part Number 3=1894510, SymbolVersion=2008-07-09, TaMax_C=125, TaMin_C=-55, Technology=Ceramic, U/M=EA, VDC_V=35
C46 C57 C59 C60 C62 C63 C71 C72 C82 C85 C87: "CAP, CERM, 100pF, 25V, +/-10%, X7R, 0603", Cap_Case=0603, Manufacturer=AVX, Supplier Part Number 1=478-7899-1-ND, TempCo=X7R, Tolerance_%=10, Value1=Unknown, Value2=25V, ValueDisplayed=100pF, Cap_F=0.0000000001, ComponentLink1Description="Datasheet link", ComponentLink1URL=http://www.avx.com/docs/Catalogs/cx7r.pdf, CompType=Capacitor, LatestRevisionDate=2013-12-06, MountType=SMT, PackageReference=0603, PartNumber=06033C101KAT2A, Polarized=N, Published=2008-06-19, Publisher="Texas Instruments", RoHS=Y, Supplier 1=Digikey, Supplier 2=Newark, Supplier Part Number 2=55J3899, SymbolVersion=2008-07-09, TaMax_C=125, TaMin_C=-55, Technology=Ceramic, U/M=EA, VDC_V=25
C65 C66: library part C1608C0G1H102J, "CAP, CERM, 1000pF, 50V, +/-5%, C0G/NP0, 0603", Cap_Case=0603, Manufacturer=TDK, Supplier Part Number 1=445-1293-1-ND, TempCo=C0G/NP0, Tolerance_%=5, Value1="0.0563 ohm", Value2=50V, ValueDisplayed=1000pF, Cap_F=0.000000001, ComponentLink1Description="Datasheet link", ComponentLink1URL=http://www.tdk.co.jp/tefe02/e412_c.pdf, CompType=Capacitor, ESR_ohm=0.0563, LatestRevisionDate=2014-04-30, MountType=SMT, PackageReference=0603, PartNumber=C1608C0G1H102J080AA, Polarized=N, Published=2008-06-19, Publisher="Texas Instruments", RoHS=Y, Supplier 1=Digi-Key, Supplier 2=Farnell, Supplier Part Number 2=1907307, SymbolVersion=2008-07-09, TaMax_C=125, TaMin_C=-55, Technology=Ceramic, U/M=EA, VDC_V=50
C79 C81: "CAP, CERM, 1000 pF, 50 V, +/- 10%, X7R, 0603", Cap_Case=0603, Manufacturer=Kemet, Supplier Part Number 1=399-5348-1-ND, TempCo=X7R, Tolerance_%=10, Value1=Unknown, Value2=50V, ValueDisplayed=1000pF, AEC Category=Q200, AEC Qualified=?, Cap_F=0.000000001, ComponentLink1Description="Datasheet link", ComponentLink1URL=http://www.kemet.com/kemet/web/homepage/kechome.nsf/vapubfiles/F3102_Y5V.pdf/$file/F3102_Y5V.pdf, CompType=Capacitor, LatestRevisionDate=2015-10-13, MountType=SMT, PackageReference=0603, PartNumber=C0603X102K5RACTU, Polarized=N, Published=2008-06-19, Publisher="Texas Instruments", RoHS=Y, Supplier 1=Digi-Key, Supplier 2=Mouser, Supplier 3=Farnell, Supplier Part Number 2=80-C0603X102K5R, Supplier Part Number 3=1414025, SymbolVersion=2008-07-09, TaMax_C=125, TaMin_C=-55, Technology=Ceramic, U/M=EA, VDC_V=50
C80: library part 06031C103JAT2A, "10000pF 100V Ceramic Capacitor X7R 0603", Cap_Case=0603, Manufacturer=AVX, Supplier Part Number 1=478-1205-1-ND, TempCo=X7R, Tolerance_%=5, Value1="0.098 ohm", Value2=100V, ValueDisplayed=0.01µF, AEC Category=Q200, AEC Qualified=?, Cap_F=0.00000001, ComponentLink1Description="Datasheet link", ComponentLink1URL=http://www.avx.com/docs/masterpubs/smccp.pdf, CompType=Capacitor, ESR_ohm=0.098, LatestRevisionDate=2015-10-13, MountType=SMT, PackageReference=0603, PartNumber=06031C103KAT2A, Polarized=N, Published=2008-06-19, Publisher="Texas Instruments", RoHS=Y, Supplier 1=Digi-Key, Supplier 2=Mouser, Supplier 3=Farnell, Supplier Part Number 2=581-06031C103J, Supplier Part Number 3=1833876, SymbolVersion=2008-07-09, TaMax_C=125, TaMin_C=-55, Technology=Ceramic, U/M=EA, VDC_V=100
D1: "Diode, Zener, 5.1 V, 500 mW, SOD-123", Manufacturer="Diodes Inc.", Power_W=0.5, Supplier Part Number 1=MMSZ5231B-FDICT-ND, Value1=0.5W, AEC Category=Q101, AEC Qualified=?, ComponentLink1Description="Datasheet link", ComponentLink1URL=http://www.diodes.com/datasheets/ds18010.pdf, CompType=Zener, Green_EU RoHS=Passed, Green_EU RoHS-2=Passed, Green_Lifecycle=Active, Green_REACh=Passed, LatestRevisionDate=2017-05-11, LatestRevisionNote="Updated Supplier Data", MountType=SMT, PackageReference=SOD-123, PartNumber=MMSZ5231B-7-F, Published=2008-10-08, Publisher="Texas Instruments", RJA_CperW=350, RoHS=Y, SizeArea_mm2=6.545, SizeAreaWB_mm2=13.095, SizeX_mm=3.85, SizeY_mm=1.7, SizeZ_mm=1.35, Supplier 1=Digi-Key, Supplier 2=Mouser, Supplier 3=Farnell, Supplier Part Number 2=621-MMSZ5231B-F, Supplier Part Number 3=1843699, SymbolCreator=a0412235, SymbolVersion=2010-08-25, U/M=EA, Vr_V=N/A, Vz_V=5.1